# KiCad board vme-wren.kicad_pcb (continued)
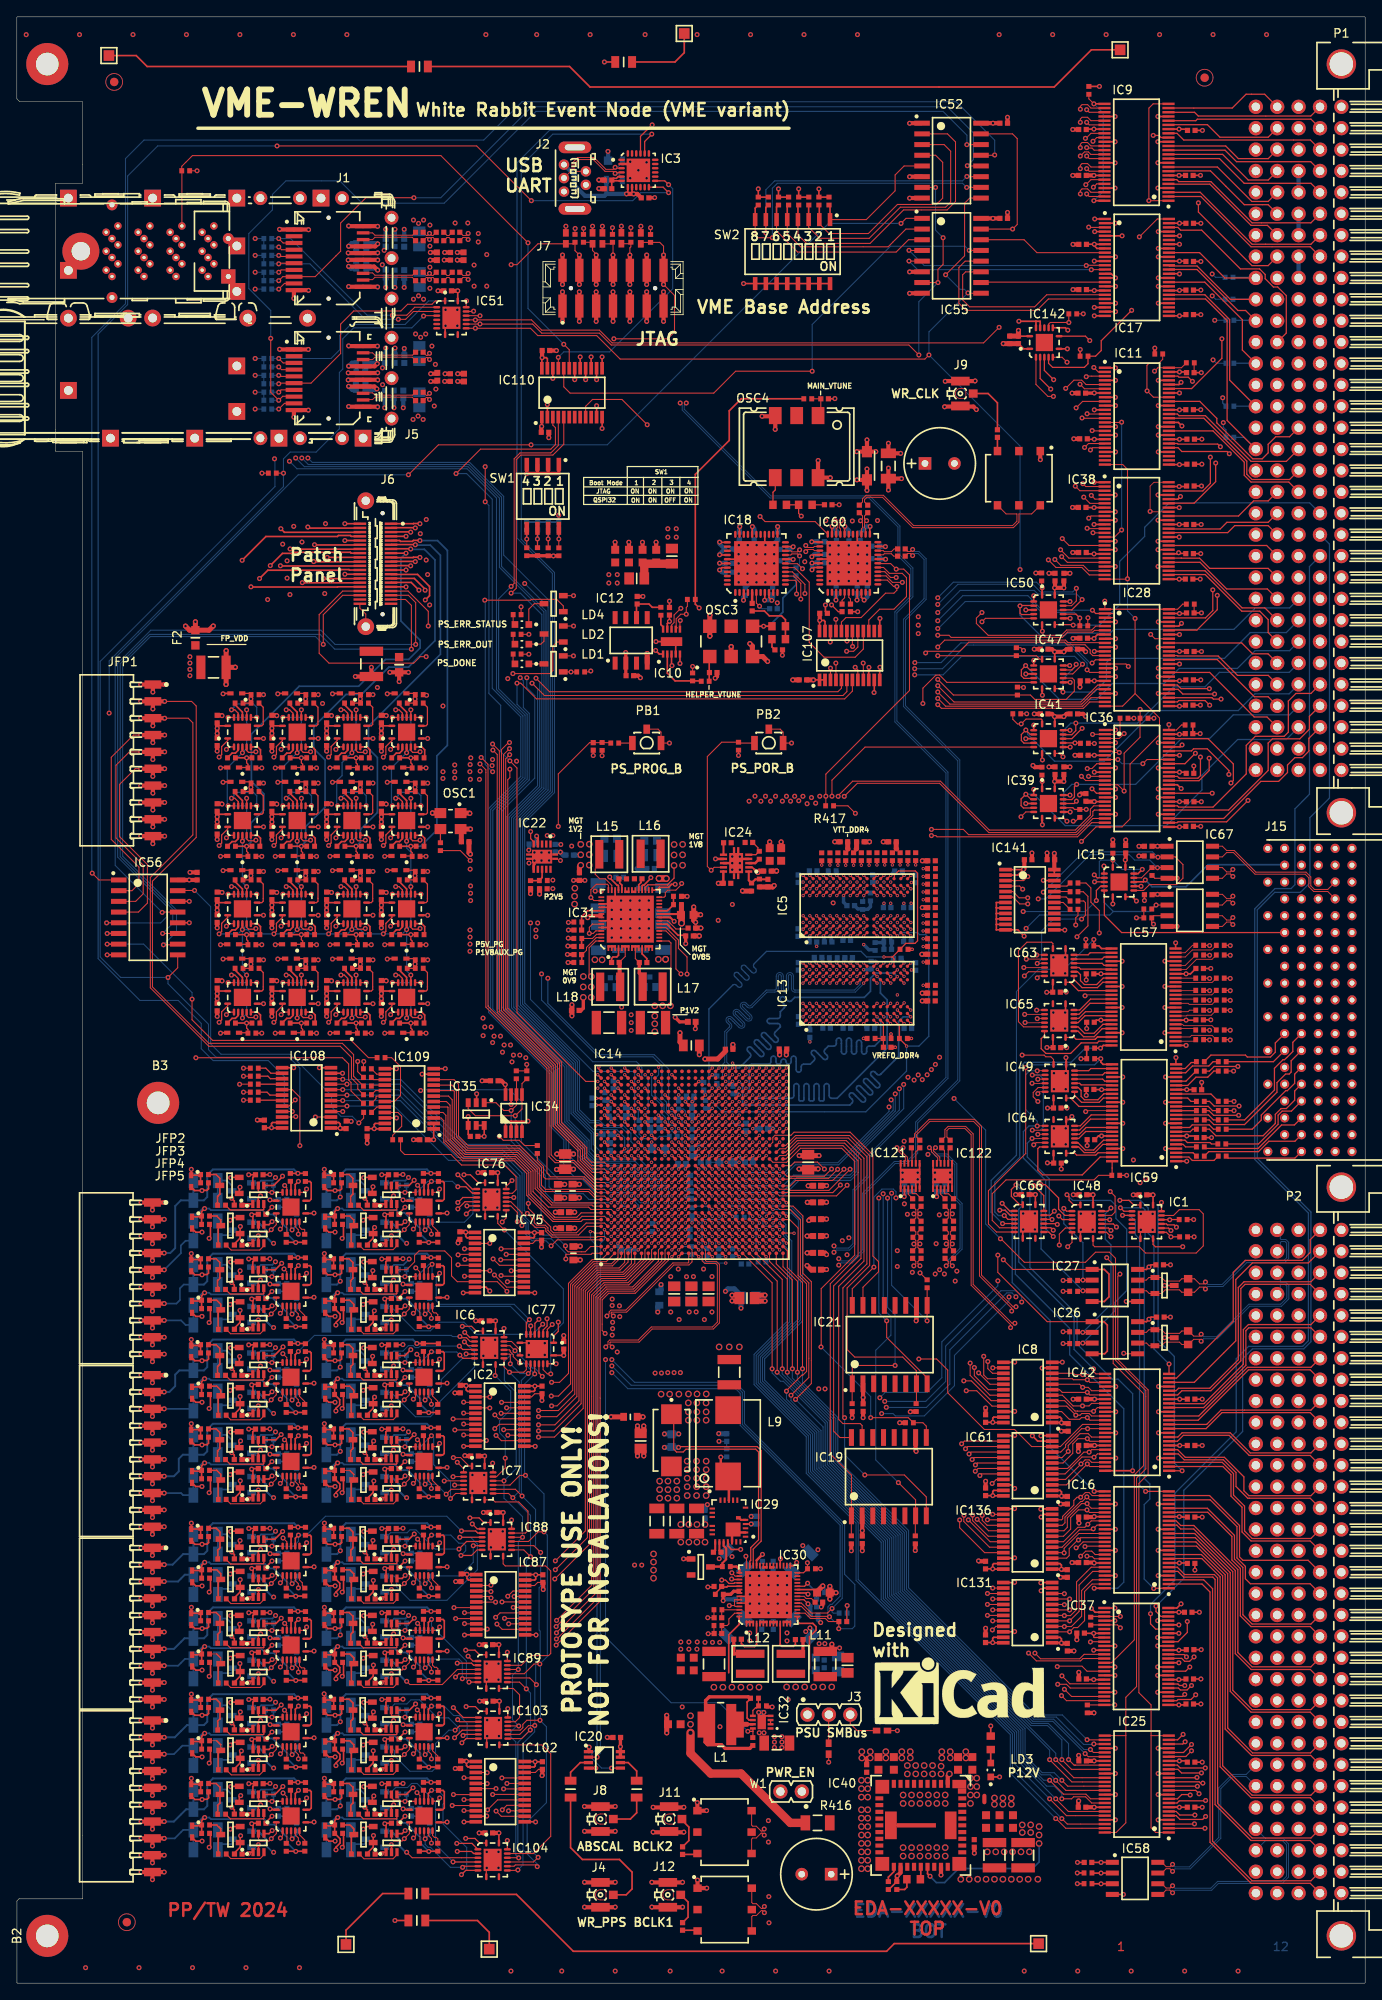
[diagram p0: board, top side]
## Placement (name value [footprint] x y rotation side) (continued)
R222  R0402_100R_1%_0.0625W_100PPM  [RESC1005X40N]  80.15 86.99 270 bottom
R223  R0402_10K_1%_0.0625W_100PPM  [RESC1005X40N]  118.7 158.09 90 top
R224  R0402_33R_1%_0.0625W_100PPM  [RESC1005X40N]  140.47 117.87 0 top
R225  R0402_33R_1%_0.0625W_100PPM  [RESC1005X40N]  142.92 119.32 0 top
R226  R0402_4K7_1%_0.0625W_100PPM  [RESC1005X40N]  59.32 107.85 90 top
R227  R0402_10K_1%_0.0625W_100PPM  [RESC1005X40N]  98.09 42.94 180 top
R228  R0402_33R_1%_0.0625W_100PPM  [RESC1005X40N]  140.47 119.32 0 top
R229  R0402_33R_1%_0.0625W_100PPM  [RESC1005X40N]  142.92 122.07 0 top
R230  R0402_33R_1%_0.0625W_100PPM  [RESC1005X40N]  140.47 122.07 0 top
R231  R0402_33R_1%_0.0625W_100PPM  [RESC1005X40N]  142.92 123.22 0 top
R232  R0402_33R_1%_0.0625W_100PPM  [RESC1005X40N]  140.47 123.22 0 top
R233  R0402_33R_1%_0.0625W_100PPM  [RESC1005X40N]  140.47 112.02 0 top
R234  R0402_33R_1%_0.0625W_100PPM  [RESC1005X40N]  142.92 112.02 0 top
R235  R0402_33R_1%_0.0625W_100PPM  [RESC1005X40N]  140.47 113.17 0 top
R236  R0402_33R_1%_0.0625W_100PPM  [RESC1005X40N]  142.92 113.17 0 top
R237  R0402_33R_1%_0.0625W_100PPM  [RESC1005X40N]  142.92 115.52 0 top
R238  R0402_33R_1%_0.0625W_100PPM  [RESC1005X40N]  140.47 115.52 0 top
R239  R0402_33R_1%_0.0625W_100PPM  [RESC1005X40N]  142.92 116.72 0 top
R240  R0402_33R_1%_0.0625W_100PPM  [RESC1005X40N]  140.47 116.72 0 top
R241  R0402_33R_1%_0.0625W_100PPM  [RESC1005X40N]  143.16 98.19 0 top
R242  R0402_33R_1%_0.0625W_100PPM  [RESC1005X40N]  140.56 98.19 0 top
R243  R0402_33R_1%_0.0625W_100PPM  [RESC1005X40N]  140.56 99.29 0 top
R244  R0402_33R_1%_0.0625W_100PPM  [RESC1005X40N]  143.11 99.64 0 top
R245  R0402_33R_1%_0.0625W_100PPM  [RESC1005X40N]  140.56 101.39 0 top
R246  R0402_33R_1%_0.0625W_100PPM  [RESC1005X40N]  143.16 101.39 0 top
R247  R0402_33R_1%_0.0625W_100PPM  [RESC1005X40N]  140.56 102.49 0 top
R248  R0402_33R_1%_0.0625W_100PPM  [RESC1005X40N]  143.16 102.49 0 top
R249  R0402_33R_1%_0.0625W_100PPM  [RESC1005X40N]  143.16 103.59 0 top
R250  R0402_33R_1%_0.0625W_100PPM  [RESC1005X40N]  140.56 104.69 0 top
R251  R0603_820R_1%_0.1W_100PPM  [RESC1608X55N]  115.66 28.54 270 top
R252  R0402_33R_1%_0.0625W_100PPM  [RESC1005X40N]  143.16 104.7 0 top
R253  R0402_402R_1%_0.063W_100PPM  [RESC1005X40N]  84.26 49.46 180 top
R254  R0402_4K7_1%_0.0625W_100PPM  [RESC1005X40N]  29.8 192.9 180 bottom
R255  R0402_4K7_1%_0.0625W_100PPM  [RESC1005X40N]  29.8 189.9 180 bottom
R256  R0402_33R_1%_0.0625W_100PPM  [RESC1005X40N]  143.16 108.29 0 top
R257  R0402_33R_1%_0.0625W_100PPM  [RESC1005X40N]  140.56 108.29 0 top
R258  R0402_33R_1%_0.0625W_100PPM  [RESC1005X40N]  143.16 109.41 0 top
R259  R0402_33R_1%_0.0625W_100PPM  [RESC1005X40N]  140.56 109.41 0 top
R260  R0402_10K_1%_0.0625W_100PPM  [RESC1005X40N]  130.16 134.64 90 top
R261  R0402_4R7_1%_0.0625W_200PPM  [RESC1005X40N]  39.39 141.49 0 top
R262  R0402_1K_1%_0.0625W_100PPM  [RESC1005X40N]  40.92 133.79 180 top
R263  R0402_10K_1%_0.0625W_100PPM  [RESC1005X40N]  118.83 153.41 90 top
R264  R0402_10K_1%_0.0625W_100PPM  [RESC1005X40N]  121.71 166.96 90 top
R265  R0402_10K_1%_0.0625W_100PPM  [RESC1005X40N]  134.37 133.83 180 top
R266  R0402_10K_1%_0.0625W_100PPM  [RESC1005X40N]  134.81 131.99 270 top
R267  R0402_1K_1%_0.0625W_100PPM  [RESC1005X40N]  41.29 142.49 180 top
R268  R1206_91R_1%_0.25W_100PPM  [RESC3216X65N]  38.21 57.95 180 bottom
R269  R0402_100R_1%_0.0625W_100PPM  [RESC1005X40N]  38.09 65.81 0 top
R270  R0402_100R_1%_0.0625W_100PPM  [RESC1005X40N]  38.21 60.89 0 top
R271  R0402_100R_1%_0.0625W_100PPM  [RESC1005X40N]  40.11 62.17 0 top
R272  R0402_100R_1%_0.0625W_100PPM  [RESC1005X40N]  40.19 57.43 0 top
R273  R0402_10K_1%_0.0625W_100PPM  [RESC1005X40N]  30.01 52.74 180 bottom
R274  R0402_10K_1%_0.0625W_100PPM  [RESC1005X40N]  45.81 42.74 180 bottom
R275  R0402_4R7_1%_0.0625W_200PPM  [RESC1005X40N]  31.99 68.23 270 top
R276  R0402_4R7_1%_0.0625W_200PPM  [RESC1005X40N]  34.19 68.24 270 top
R277  R0402_4R7_1%_0.0625W_200PPM  [RESC1005X40N]  34.27 75.46 90 top
R278  R0402_4R7_1%_0.0625W_200PPM  [RESC1005X40N]  32.48 75.48 90 top
R279  R0402_1K_1%_0.0625W_100PPM  [RESC1005X40N]  22.29 74.83 180 top
R280  R0402_1K_1%_0.0625W_100PPM  [RESC1005X40N]  22.41 69.89 180 top
R281  R0402_4R7_1%_0.0625W_200PPM  [RESC1005X40N]  47.79 120.49 180 top
R282  R1206_91R_1%_0.25W_100PPM  [RESC3216X65N]  22.41 67.95 180 bottom
R283  R0402_100R_1%_0.0625W_100PPM  [RESC1005X40N]  22.29 75.81 0 top
R284  R0402_100R_1%_0.0625W_100PPM  [RESC1005X40N]  22.41 70.89 0 top
R285  R0402_100R_1%_0.0625W_100PPM  [RESC1005X40N]  24.31 72.17 0 top
R286  R0402_100R_1%_0.0625W_100PPM  [RESC1005X40N]  24.39 67.43 0 top
R287  R0402_10K_1%_0.0625W_100PPM  [RESC1005X40N]  30.01 32.44 180 bottom
R288  R0402_10K_1%_0.0625W_100PPM  [RESC1005X40N]  30.01 22.44 180 bottom
R289  R0402_4R7_1%_0.0625W_200PPM  [RESC1005X40N]  47.79 68.23 270 top
R290  R0402_4R7_1%_0.0625W_200PPM  [RESC1005X40N]  49.99 68.24 270 top
R291  R0402_4R7_1%_0.0625W_200PPM  [RESC1005X40N]  50.07 75.46 90 top
R292  R0402_4R7_1%_0.0625W_200PPM  [RESC1005X40N]  48.28 75.48 90 top
R293  R0402_1K_1%_0.0625W_100PPM  [RESC1005X40N]  38.09 74.83 180 top
R294  R0402_1K_1%_0.0625W_100PPM  [RESC1005X40N]  38.21 69.89 180 top
R295  R0402_4R7_1%_0.0625W_200PPM  [RESC1005X40N]  45.89 120.49 0 top
R296  R1206_91R_1%_0.25W_100PPM  [RESC3216X65N]  38.21 67.95 180 bottom
R297  R0402_100R_1%_0.0625W_100PPM  [RESC1005X40N]  38.09 75.81 0 top
R298  R0402_100R_1%_0.0625W_100PPM  [RESC1005X40N]  38.21 70.89 0 top
R299  R0402_100R_1%_0.0625W_100PPM  [RESC1005X40N]  40.11 72.17 0 top
R300  R0402_100R_1%_0.0625W_100PPM  [RESC1005X40N]  40.19 67.43 0 top
R301  R0402_10K_1%_0.0625W_100PPM  [RESC1005X40N]  45.81 22.44 180 bottom
R302  R0402_10K_1%_0.0625W_100PPM  [RESC1005X40N]  45.81 32.44 180 bottom
R303  R0402_4R7_1%_0.0625W_200PPM  [RESC1005X40N]  31.99 58.23 270 top
R304  R0402_4R7_1%_0.0625W_200PPM  [RESC1005X40N]  34.19 58.24 270 top
R305  R0402_4R7_1%_0.0625W_200PPM  [RESC1005X40N]  34.27 65.46 90 top
R306  R0402_4R7_1%_0.0625W_200PPM  [RESC1005X40N]  32.48 65.48 90 top
R307  R0402_1K_1%_0.0625W_100PPM  [RESC1005X40N]  22.29 64.83 180 top
R308  R0402_1K_1%_0.0625W_100PPM  [RESC1005X40N]  22.41 59.89 180 top
R309  R0402_1K_1%_0.0625W_100PPM  [RESC1005X40N]  47.42 112.79 180 top
R310  R1206_91R_1%_0.25W_100PPM  [RESC3216X65N]  22.41 57.95 180 bottom
R311  R0402_100R_1%_0.0625W_100PPM  [RESC1005X40N]  22.29 65.81 0 top
R312  R0402_100R_1%_0.0625W_100PPM  [RESC1005X40N]  22.41 60.89 0 top
R313  R0402_100R_1%_0.0625W_100PPM  [RESC1005X40N]  24.31 62.17 0 top
R314  R0402_100R_1%_0.0625W_100PPM  [RESC1005X40N]  24.39 57.43 0 top
R315  R0402_10K_1%_0.0625W_100PPM  [RESC1005X40N]  135.61 193.44 180 top
R316  R0402_10K_1%_0.0625W_100PPM  [RESC1005X40N]  30.34 179.29 180 top
R317  R0402_4R7_1%_0.0625W_200PPM  [RESC1005X40N]  47.8 46.43 270 top
R318  R0402_4R7_1%_0.0625W_200PPM  [RESC1005X40N]  50 46.44 270 top
R319  R0402_4R7_1%_0.0625W_200PPM  [RESC1005X40N]  50.08 53.65 90 top
R320  R0402_4R7_1%_0.0625W_200PPM  [RESC1005X40N]  48.29 53.67 90 top
R321  R0402_1K_1%_0.0625W_100PPM  [RESC1005X40N]  38.1 53.02 180 top
R322  R0402_1K_1%_0.0625W_100PPM  [RESC1005X40N]  38.22 48.08 180 top
R323  R0402_1K_1%_0.0625W_100PPM  [RESC1005X40N]  47.79 121.49 180 top
R324  R1206_91R_1%_0.25W_100PPM  [RESC3216X65N]  38.22 46.14 180 bottom
R325  R0402_100R_1%_0.0625W_100PPM  [RESC1005X40N]  38.1 54 0 top
R326  R0402_100R_1%_0.0625W_100PPM  [RESC1005X40N]  38.22 49.08 0 top
R327  R0402_100R_1%_0.0625W_100PPM  [RESC1005X40N]  40.12 50.36 0 top
R328  R0402_100R_1%_0.0625W_100PPM  [RESC1005X40N]  40.2 45.63 0 top
R329  R0402_10K_1%_0.0625W_100PPM  [RESC1005X40N]  126.71 161.16 0 top
R330  R0402_10K_1%_0.0625W_100PPM  [RESC1005X40N]  88.05 211.59 270 top
R331  R0402_4R7_1%_0.0625W_200PPM  [RESC1005X40N]  32 36.43 270 top
R332  R0402_4R7_1%_0.0625W_200PPM  [RESC1005X40N]  34.2 36.44 270 top
R333  R0402_4R7_1%_0.0625W_200PPM  [RESC1005X40N]  34.28 43.65 90 top
R334  R0402_4R7_1%_0.0625W_200PPM  [RESC1005X40N]  32.49 43.67 90 top
R335  R0402_1K_1%_0.0625W_100PPM  [RESC1005X40N]  22.3 43.02 180 top
R336  R0402_1K_1%_0.0625W_100PPM  [RESC1005X40N]  22.42 38.08 180 top
R337  R0402_4R7_1%_0.0625W_200PPM  [RESC1005X40N]  38.49 113.99 0 top
R338  R1206_91R_1%_0.25W_100PPM  [RESC3216X65N]  22.42 38.49 180 bottom
R339  R0402_100R_1%_0.0625W_100PPM  [RESC1005X40N]  22.3 44 0 top
R340  R0402_100R_1%_0.0625W_100PPM  [RESC1005X40N]  22.42 39.08 0 top
R341  R0402_100R_1%_0.0625W_100PPM  [RESC1005X40N]  24.32 40.36 0 top
R342  R0402_100R_1%_0.0625W_100PPM  [RESC1005X40N]  24.4 35.63 0 top
R343  R0402_10K_1%_0.0625W_100PPM  [RESC1005X40N]  89.25 211.59 270 top
R344  R0402_10K_1%_0.0625W_100PPM  [RESC1005X40N]  90.45 211.59 270 top
R345  R0402_4R7_1%_0.0625W_200PPM  [RESC1005X40N]  32 46.43 270 top
R346  R0402_4R7_1%_0.0625W_200PPM  [RESC1005X40N]  34.2 46.44 270 top
R347  R0402_4R7_1%_0.0625W_200PPM  [RESC1005X40N]  34.28 53.65 90 top
R348  R0402_4R7_1%_0.0625W_200PPM  [RESC1005X40N]  32.49 53.67 90 top
R349  R0402_1K_1%_0.0625W_100PPM  [RESC1005X40N]  22.3 53.02 180 top
R350  R0402_1K_1%_0.0625W_100PPM  [RESC1005X40N]  22.42 48.08 180 top
R351  R0402_4R7_1%_0.0625W_200PPM  [RESC1005X40N]  41.39 113.99 180 top
R352  R1206_91R_1%_0.25W_100PPM  [RESC3216X65N]  22.42 48.49 180 bottom
R353  R0402_100R_1%_0.0625W_100PPM  [RESC1005X40N]  22.3 54 0 top
R354  R0402_100R_1%_0.0625W_100PPM  [RESC1005X40N]  22.42 49.08 0 top
R355  R0402_100R_1%_0.0625W_100PPM  [RESC1005X40N]  24.32 50.36 0 top
R356  R0402_100R_1%_0.0625W_100PPM  [RESC1005X40N]  24.4 45.63 0 top
R357  R0402_10K_1%_0.0625W_100PPM  [RESC1005X40N]  91.65 211.59 270 top
R358  R0402_10K_1%_0.0625W_100PPM  [RESC1005X40N]  92.85 211.59 270 top
R359  R0402_4R7_1%_0.0625W_200PPM  [RESC1005X40N]  47.8 36.43 270 top
R360  R0402_4R7_1%_0.0625W_200PPM  [RESC1005X40N]  50 36.44 270 top
R361  R0402_4R7_1%_0.0625W_200PPM  [RESC1005X40N]  50.08 43.65 90 top
R362  R0402_4R7_1%_0.0625W_200PPM  [RESC1005X40N]  48.29 43.67 90 top
R363  R0402_1K_1%_0.0625W_100PPM  [RESC1005X40N]  38.1 43.02 180 top
R364  R0402_1K_1%_0.0625W_100PPM  [RESC1005X40N]  38.22 38.08 180 top
R365  R0402_4R7_1%_0.0625W_200PPM  [RESC1005X40N]  41.29 120.49 180 top
R366  R1206_91R_1%_0.25W_100PPM  [RESC3216X65N]  38.22 36.14 180 bottom
R367  R0402_100R_1%_0.0625W_100PPM  [RESC1005X40N]  38.1 44 0 top
R368  R0402_100R_1%_0.0625W_100PPM  [RESC1005X40N]  38.22 39.08 0 top
R369  R0402_100R_1%_0.0625W_100PPM  [RESC1005X40N]  40.12 40.36 0 top
R370  R0402_100R_1%_0.0625W_100PPM  [RESC1005X40N]  40.2 35.63 0 top
R371  R0402_10K_1%_0.0625W_100PPM  [RESC1005X40N]  94.05 211.59 270 top
R372  R0402_10K_1%_0.0625W_100PPM  [RESC1005X40N]  95.25 211.59 270 top
R373  R0402_4R7_1%_0.0625W_200PPM  [RESC1005X40N]  32 26.13 270 top
R374  R0402_4R7_1%_0.0625W_200PPM  [RESC1005X40N]  34.2 26.14 270 top
R375  R0402_4R7_1%_0.0625W_200PPM  [RESC1005X40N]  34.28 33.35 90 top
R376  R0402_4R7_1%_0.0625W_200PPM  [RESC1005X40N]  32.49 33.37 90 top
R377  R0402_1K_1%_0.0625W_100PPM  [RESC1005X40N]  22.3 32.72 180 top
R378  R0402_1K_1%_0.0625W_100PPM  [RESC1005X40N]  22.42 27.78 180 top
R379  R0402_4R7_1%_0.0625W_200PPM  [RESC1005X40N]  39.39 120.49 0 top
R380  R1206_91R_1%_0.25W_100PPM  [RESC3216X65N]  22.42 28.19 180 bottom
R381  R0402_100R_1%_0.0625W_100PPM  [RESC1005X40N]  22.3 33.7 0 top
R382  R0402_100R_1%_0.0625W_100PPM  [RESC1005X40N]  22.42 28.78 0 top
R383  R0402_100R_1%_0.0625W_100PPM  [RESC1005X40N]  24.32 30.06 0 top
R384  R0402_100R_1%_0.0625W_100PPM  [RESC1005X40N]  24.4 25.33 0 top
R385  R0402_10K_1%_0.0625W_100PPM  [RESC1005X40N]  96.45 211.59 270 top
R386  R0402_33R_1%_0.0625W_100PPM  [RESC1005X40N]  125.55 128.49 0 top
R387  R0402_33R_1%_0.0625W_100PPM  [RESC1005X40N]  125.55 127.49 0 top
R388  R0402_10K_1%_0.0625W_100PPM  [RESC1005X40N]  49.01 60.62 90 bottom
R389  R0402_4K7_1%_0.0625W_100PPM  [RESC1005X40N]  29.8 206.14 180 bottom
R390  R0402_4K7_1%_0.0625W_100PPM  [RESC1005X40N]  29.8 207.14 180 bottom
R391  R0402_4K7_1%_0.0625W_100PPM  [RESC1005X40N]  29.8 205.14 180 bottom
R392  R0402_4K7_1%_0.0625W_100PPM  [RESC1005X40N]  29.8 204.14 180 bottom
R393  R0402_4K7_1%_0.0625W_100PPM  [RESC1005X40N]  29.8 203.14 180 bottom
R394  R0402_4K7_1%_0.0625W_100PPM  [RESC1005X40N]  29.8 202.14 180 bottom
R395  R0402_4K7_1%_0.0625W_100PPM  [RESC1005X40N]  29.8 201.14 180 bottom
R396  R0402_33R_1%_0.0625W_100PPM  [RESC1005X40N]  125.55 129.59 0 top
R397  R0805_2M2_1%_0.125W_100PPM  [RESC2012X60N]  72.06 228.11 0 top
R398  R0805_2M2_1%_0.125W_100PPM  [RESC2012X60N]  47.81 227.57 0 top
R399  R0402_33R_1%_0.0625W_100PPM  [RESC1005X40N]  125.55 130.63 0 top
R400  R0805_2M2_1%_0.125W_100PPM  [RESC2012X60N]  47.5 10.64 0 top
R401  R0805_2M2_1%_0.125W_100PPM  [RESC2012X60N]  47.5 7.44 0 top
R402  R0402_10K_1%_0.0625W_100PPM  [RESC1005X40N]  126.74 193.18 0 top
R403  R0402_10K_1%_0.0625W_100PPM  [RESC1005X40N]  125.4 198.2 180 top
R404  R0402_4R7_1%_0.0625W_200PPM  [RESC1005X40N]  32 16.13 270 top
R405  R0402_4R7_1%_0.0625W_200PPM  [RESC1005X40N]  34.2 16.14 270 top
R406  R0402_4R7_1%_0.0625W_200PPM  [RESC1005X40N]  34.28 23.35 90 top
R407  R0402_4R7_1%_0.0625W_200PPM  [RESC1005X40N]  32.49 23.37 90 top
R408  R0402_1K_1%_0.0625W_100PPM  [RESC1005X40N]  22.3 22.72 180 top
R409  R0402_1K_1%_0.0625W_100PPM  [RESC1005X40N]  22.42 17.78 180 top
R410  R0402_1K_1%_0.0625W_100PPM  [RESC1005X40N]  40.92 112.79 180 top
R411  R1206_91R_1%_0.25W_100PPM  [RESC3216X65N]  22.42 18.19 180 bottom
R412  R0402_100R_1%_0.0625W_100PPM  [RESC1005X40N]  22.3 23.7 0 top
R413  R0402_100R_1%_0.0625W_100PPM  [RESC1005X40N]  22.42 18.78 0 top
R414  R0402_100R_1%_0.0625W_100PPM  [RESC1005X40N]  24.32 20.06 0 top
R415  R0402_100R_1%_0.0625W_100PPM  [RESC1005X40N]  24.4 15.33 0 top
R416  R1206_0R_JUMPER  [RESC3216X65N]  95.09 19.03 0 top
R417  R0402_4K7_1%_0.0625W_100PPM  [RESC1005X40N]  96.52 139.79 180 top
R418  R0402_4R7_1%_0.0625W_200PPM  [RESC1005X40N]  47.8 16.13 270 top
R419  R0402_4R7_1%_0.0625W_200PPM  [RESC1005X40N]  50 16.14 270 top
R420  R0402_4R7_1%_0.0625W_200PPM  [RESC1005X40N]  50.08 23.35 90 top
R421  R0402_4R7_1%_0.0625W_200PPM  [RESC1005X40N]  48.29 23.37 90 top
R422  R0402_1K_1%_0.0625W_100PPM  [RESC1005X40N]  38.1 22.72 180 top
R423  R0402_1K_1%_0.0625W_100PPM  [RESC1005X40N]  38.22 17.78 180 top
R424  R0402_1K_1%_0.0625W_100PPM  [RESC1005X40N]  41.29 121.49 180 top
R425  R1206_91R_1%_0.25W_100PPM  [RESC3216X65N]  38.22 15.84 180 bottom
R426  R0402_100R_1%_0.0625W_100PPM  [RESC1005X40N]  38.1 23.7 0 top
R427  R0402_100R_1%_0.0625W_100PPM  [RESC1005X40N]  38.22 18.78 0 top
R428  R0402_100R_1%_0.0625W_100PPM  [RESC1005X40N]  40.12 20.06 0 top
R429  R0402_100R_1%_0.0625W_100PPM  [RESC1005X40N]  40.2 15.33 0 top
R432  R0402_4R7_1%_0.0625W_200PPM  [RESC1005X40N]  47.8 26.13 270 top
R433  R0402_4R7_1%_0.0625W_200PPM  [RESC1005X40N]  50 26.14 270 top
R434  R0402_4R7_1%_0.0625W_200PPM  [RESC1005X40N]  50.08 33.35 90 top
R435  R0402_4R7_1%_0.0625W_200PPM  [RESC1005X40N]  48.29 33.37 90 top
R436  R0402_1K_1%_0.0625W_100PPM  [RESC1005X40N]  38.1 32.72 180 top
R437  R0402_1K_1%_0.0625W_100PPM  [RESC1005X40N]  38.22 27.78 180 top
R438  R0402_4R7_1%_0.0625W_200PPM  [RESC1005X40N]  31.99 113.99 0 top
R439  R1206_91R_1%_0.25W_100PPM  [RESC3216X65N]  38.22 28.19 180 bottom
R440  R0402_100R_1%_0.0625W_100PPM  [RESC1005X40N]  38.1 33.7 0 top
R441  R0402_100R_1%_0.0625W_100PPM  [RESC1005X40N]  38.22 28.78 0 top
R442  R0402_100R_1%_0.0625W_100PPM  [RESC1005X40N]  40.12 30.06 0 top
R443  R0402_100R_1%_0.0625W_100PPM  [RESC1005X40N]  40.2 25.33 0 top
R444  R0402_100R_1%_0.0625W_100PPM  [RESC1005X40N]  106.89 88.56 180 top
R445  R0402_100R_1%_0.0625W_100PPM  [RESC1005X40N]  110.74 88.55 0 top
R446  R0402_4K7_1%_0.0625W_100PPM  [RESC1005X40N]  20.05 215.19 180 top
R448  R0402_4R7_1%_0.0625W_200PPM  [RESC1005X40N]  34.89 113.99 180 top
R449  R0402_33R_1%_0.0625W_100PPM  [RESC1005X40N]  45.1 100.14 0 top
R450  R0402_33R_1%_0.0625W_100PPM  [RESC1005X40N]  28.2 107.69 180 top
R451  R0402_33R_1%_0.0625W_100PPM  [RESC1005X40N]  41.64 105.49 180 top
R452  R0402_33R_1%_0.0625W_100PPM  [RESC1005X40N]  28.2 108.64 180 top
R453  R0402_33R_1%_0.0625W_100PPM  [RESC1005X40N]  41.63 106.51 180 top
R454  R1206_91R_1%_0.25W_100PPM  [RESC3216X65N]  38.21 90.5 180 bottom
R455  R0402_33R_1%_0.0625W_100PPM  [RESC1005X40N]  28.2 104.84 180 top
R456  R0402_33R_1%_0.0625W_100PPM  [RESC1005X40N]  28.2 106.74 180 top
R457  R1206_91R_1%_0.25W_100PPM  [RESC3216X65N]  22.41 90.5 180 bottom
R458  R0402_33R_1%_0.0625W_100PPM  [RESC1005X40N]  28.2 105.79 180 top
R459  R1206_91R_1%_0.25W_100PPM  [RESC3216X65N]  22.41 78.15 180 bottom
R460  R0402_33R_1%_0.0625W_100PPM  [RESC1005X40N]  41.65 103.39 180 top
R461  R1206_91R_1%_0.25W_100PPM  [RESC3216X65N]  38.21 80.5 180 bottom
R462  R0402_33R_1%_0.0625W_100PPM  [RESC1005X40N]  43.25 109.89 180 top
R463  R0402_33R_1%_0.0625W_100PPM  [RESC1005X40N]  41.63 104.46 180 top
R464  R1206_91R_1%_0.25W_100PPM  [RESC3216X65N]  38.21 60.3 180 bottom
R465  R1206_91R_1%_0.25W_100PPM  [RESC3216X65N]  22.41 70.3 180 bottom
R466  R1206_91R_1%_0.25W_100PPM  [RESC3216X65N]  38.21 70.3 180 bottom
R467  R1206_91R_1%_0.25W_100PPM  [RESC3216X65N]  22.41 60.3 180 bottom
R468  R1206_91R_1%_0.25W_100PPM  [RESC3216X65N]  38.22 48.49 180 bottom
R469  R1206_91R_1%_0.25W_100PPM  [RESC3216X65N]  22.42 36.14 180 bottom
R470  R1206_91R_1%_0.25W_100PPM  [RESC3216X65N]  22.42 46.14 180 bottom
R471  R1206_91R_1%_0.25W_100PPM  [RESC3216X65N]  38.22 38.49 180 bottom
R472  R1206_91R_1%_0.25W_100PPM  [RESC3216X65N]  22.42 25.84 180 bottom
R473  R1206_91R_1%_0.25W_100PPM  [RESC3216X65N]  22.42 15.84 180 bottom
R474  R1206_91R_1%_0.25W_100PPM  [RESC3216X65N]  38.22 18.19 180 bottom
R475  R1206_91R_1%_0.25W_100PPM  [RESC3216X65N]  38.22 25.84 180 bottom
R476  R1206_91R_1%_0.25W_100PPM  [RESC3216X65N]  38.21 95.3 180 bottom
R477  R1206_91R_1%_0.25W_100PPM  [RESC3216X65N]  38.21 92.95 180 bottom
R478  R1206_91R_1%_0.25W_100PPM  [RESC3216X65N]  22.41 95.3 180 bottom
R479  R1206_91R_1%_0.25W_100PPM  [RESC3216X65N]  22.41 92.95 180 bottom
R480  R1206_91R_1%_0.25W_100PPM  [RESC3216X65N]  22.41 82.95 180 bottom
R481  R1206_91R_1%_0.25W_100PPM  [RESC3216X65N]  22.41 85.3 180 bottom
R482  R1206_91R_1%_0.25W_100PPM  [RESC3216X65N]  38.21 85.3 180 bottom
R483  R1206_91R_1%_0.25W_100PPM  [RESC3216X65N]  38.21 82.95 180 bottom
R484  R1206_91R_1%_0.25W_100PPM  [RESC3216X65N]  38.21 65.1 180 bottom
R485  R1206_91R_1%_0.25W_100PPM  [RESC3216X65N]  38.21 62.75 180 bottom
R486  R1206_91R_1%_0.25W_100PPM  [RESC3216X65N]  22.41 75.1 180 bottom
R487  R1206_91R_1%_0.25W_100PPM  [RESC3216X65N]  22.41 72.75 180 bottom
R488  R1206_91R_1%_0.25W_100PPM  [RESC3216X65N]  38.21 72.75 180 bottom
R489  R1206_91R_1%_0.25W_100PPM  [RESC3216X65N]  38.21 75.1 180 bottom
R490  R1206_91R_1%_0.25W_100PPM  [RESC3216X65N]  22.41 62.75 180 bottom
R491  R1206_91R_1%_0.25W_100PPM  [RESC3216X65N]  22.41 65.1 180 bottom
R492  R1206_91R_1%_0.25W_100PPM  [RESC3216X65N]  38.22 53.29 180 bottom
R493  R1206_91R_1%_0.25W_100PPM  [RESC3216X65N]  38.22 50.94 180 bottom
R494  R1206_91R_1%_0.25W_100PPM  [RESC3216X65N]  22.42 40.94 180 bottom
R495  R1206_91R_1%_0.25W_100PPM  [RESC3216X65N]  22.42 43.29 180 bottom
R496  R1206_91R_1%_0.25W_100PPM  [RESC3216X65N]  22.42 53.29 180 bottom
R497  R1206_91R_1%_0.25W_100PPM  [RESC3216X65N]  22.42 50.94 180 bottom
R498  R1206_91R_1%_0.25W_100PPM  [RESC3216X65N]  38.22 40.94 180 bottom
R499  R1206_91R_1%_0.25W_100PPM  [RESC3216X65N]  38.22 43.29 180 bottom
R500  R1206_91R_1%_0.25W_100PPM  [RESC3216X65N]  22.42 32.99 180 bottom
R501  R1206_91R_1%_0.25W_100PPM  [RESC3216X65N]  22.42 30.64 180 bottom
R502  R1206_91R_1%_0.25W_100PPM  [RESC3216X65N]  22.42 22.99 180 bottom
R503  R1206_91R_1%_0.25W_100PPM  [RESC3216X65N]  22.42 20.64 180 bottom
R504  R1206_91R_1%_0.25W_100PPM  [RESC3216X65N]  38.22 20.64 180 bottom
R505  R1206_91R_1%_0.25W_100PPM  [RESC3216X65N]  38.22 22.99 180 bottom
R506  R1206_91R_1%_0.25W_100PPM  [RESC3216X65N]  38.22 32.99 180 bottom
R507  R1206_91R_1%_0.25W_100PPM  [RESC3216X65N]  38.22 30.64 180 bottom
R508  R0402_4R7_1%_0.0625W_200PPM  [RESC1005X40N]  34.79 120.49 180 top
R509  R0402_4R7_1%_0.0625W_200PPM  [RESC1005X40N]  32.89 120.49 0 top
R510  R0402_1K_1%_0.0625W_100PPM  [RESC1005X40N]  34.42 112.79 180 top
R511  R0402_1K_1%_0.0625W_100PPM  [RESC1005X40N]  34.79 121.49 180 top
R512  R0402_4R7_1%_0.0625W_200PPM  [RESC1005X40N]  25.49 113.99 0 top
R513  R0402_4R7_1%_0.0625W_200PPM  [RESC1005X40N]  28.39 113.99 180 top
R514  R0402_4R7_1%_0.0625W_200PPM  [RESC1005X40N]  28.29 120.49 180 top
R515  R0402_4R7_1%_0.0625W_200PPM  [RESC1005X40N]  26.39 120.49 0 top
R516  R0402_1K_1%_0.0625W_100PPM  [RESC1005X40N]  27.92 112.79 180 top
R517  R0402_1K_1%_0.0625W_100PPM  [RESC1005X40N]  28.29 121.49 180 top
R518  R0402_4R7_1%_0.0625W_200PPM  [RESC1005X40N]  31.99 134.99 0 top
R519  R0402_4R7_1%_0.0625W_200PPM  [RESC1005X40N]  34.89 134.99 180 top
R520  R0402_4R7_1%_0.0625W_200PPM  [RESC1005X40N]  34.79 141.49 180 top
R521  R0402_4R7_1%_0.0625W_200PPM  [RESC1005X40N]  32.89 141.49 0 top
R522  R0402_1K_1%_0.0625W_100PPM  [RESC1005X40N]  34.42 133.79 180 top
R523  R0402_1K_1%_0.0625W_100PPM  [RESC1005X40N]  34.79 142.49 180 top
R524  R0402_4R7_1%_0.0625W_200PPM  [RESC1005X40N]  25.49 134.99 0 top
R525  R0402_4R7_1%_0.0625W_200PPM  [RESC1005X40N]  28.39 134.99 180 top
R526  R0402_4R7_1%_0.0625W_200PPM  [RESC1005X40N]  28.29 141.49 180 top
R527  R0402_4R7_1%_0.0625W_200PPM  [RESC1005X40N]  26.39 141.49 0 top
R528  R0402_1K_1%_0.0625W_100PPM  [RESC1005X40N]  27.92 133.79 180 top
R529  R0402_1K_1%_0.0625W_100PPM  [RESC1005X40N]  28.29 142.49 180 top
R530  R0402_4R7_1%_0.0625W_200PPM  [RESC1005X40N]  44.99 134.99 0 top
R531  R0402_4R7_1%_0.0625W_200PPM  [RESC1005X40N]  47.89 134.99 180 top
R532  R0402_4R7_1%_0.0625W_200PPM  [RESC1005X40N]  47.79 141.49 180 top
R533  R0402_4R7_1%_0.0625W_200PPM  [RESC1005X40N]  45.89 141.49 0 top
R534  R0402_1K_1%_0.0625W_100PPM  [RESC1005X40N]  47.42 133.79 180 top
R535  R0402_1K_1%_0.0625W_100PPM  [RESC1005X40N]  47.79 142.49 180 top
R536  R0402_4R7_1%_0.0625W_200PPM  [RESC1005X40N]  38.49 124.49 0 top
R537  R0402_4R7_1%_0.0625W_200PPM  [RESC1005X40N]  41.39 124.49 180 top
R538  R0402_4R7_1%_0.0625W_200PPM  [RESC1005X40N]  41.29 130.99 180 top
R539  R0402_4R7_1%_0.0625W_200PPM  [RESC1005X40N]  39.39 130.99 0 top
R540  R0402_1K_1%_0.0625W_100PPM  [RESC1005X40N]  40.92 123.29 180 top
R541  R0402_1K_1%_0.0625W_100PPM  [RESC1005X40N]  41.29 131.99 180 top
R542  R0402_4R7_1%_0.0625W_200PPM  [RESC1005X40N]  44.99 124.49 0 top
R543  R0402_4R7_1%_0.0625W_200PPM  [RESC1005X40N]  47.89 124.49 180 top
R544  R0402_4R7_1%_0.0625W_200PPM  [RESC1005X40N]  47.79 130.99 180 top
R545  R0402_4R7_1%_0.0625W_200PPM  [RESC1005X40N]  45.89 130.99 0 top
R546  R0402_1K_1%_0.0625W_100PPM  [RESC1005X40N]  47.42 123.29 180 top
R547  R0402_1K_1%_0.0625W_100PPM  [RESC1005X40N]  47.79 131.99 180 top
R548  R0402_4R7_1%_0.0625W_200PPM  [RESC1005X40N]  25.49 124.49 0 top
R549  R0402_4R7_1%_0.0625W_200PPM  [RESC1005X40N]  28.39 124.49 180 top
R550  R0402_4R7_1%_0.0625W_200PPM  [RESC1005X40N]  28.29 130.99 180 top
R551  R0402_4R7_1%_0.0625W_200PPM  [RESC1005X40N]  26.39 130.99 0 top
R552  R0402_1K_1%_0.0625W_100PPM  [RESC1005X40N]  27.92 123.29 180 top
R553  R0402_1K_1%_0.0625W_100PPM  [RESC1005X40N]  28.29 131.99 180 top
R554  R0402_4R7_1%_0.0625W_200PPM  [RESC1005X40N]  31.99 124.49 0 top
R555  R0402_4R7_1%_0.0625W_200PPM  [RESC1005X40N]  34.89 124.49 180 top
R556  R0402_4R7_1%_0.0625W_200PPM  [RESC1005X40N]  34.79 130.99 180 top
R557  R0402_4R7_1%_0.0625W_200PPM  [RESC1005X40N]  32.89 130.99 0 top
R558  R0402_1K_1%_0.0625W_100PPM  [RESC1005X40N]  34.42 123.29 180 top
R559  R0402_1K_1%_0.0625W_100PPM  [RESC1005X40N]  34.79 131.99 180 top
R560  R0402_4R7_1%_0.0625W_200PPM  [RESC1005X40N]  25.49 145.49 0 top
R561  R0402_4R7_1%_0.0625W_200PPM  [RESC1005X40N]  28.39 145.49 180 top
R562  R0402_4R7_1%_0.0625W_200PPM  [RESC1005X40N]  28.29 151.99 180 top
R563  R0402_4R7_1%_0.0625W_200PPM  [RESC1005X40N]  26.39 151.99 0 top
R564  R0402_1K_1%_0.0625W_100PPM  [RESC1005X40N]  27.92 144.29 180 top
R565  R0402_1K_1%_0.0625W_100PPM  [RESC1005X40N]  28.29 152.99 180 top
R566  R0402_4R7_1%_0.0625W_200PPM  [RESC1005X40N]  31.99 145.49 0 top
R567  R0402_4R7_1%_0.0625W_200PPM  [RESC1005X40N]  34.89 145.49 180 top
R568  R0402_4R7_1%_0.0625W_200PPM  [RESC1005X40N]  34.79 151.99 180 top
R569  R0402_4R7_1%_0.0625W_200PPM  [RESC1005X40N]  32.89 151.99 0 top
R570  R0402_1K_1%_0.0625W_100PPM  [RESC1005X40N]  34.42 144.29 180 top
R571  R0402_1K_1%_0.0625W_100PPM  [RESC1005X40N]  34.79 152.99 180 top
R572  R0402_4R7_1%_0.0625W_200PPM  [RESC1005X40N]  44.99 145.49 0 top
R573  R0402_4R7_1%_0.0625W_200PPM  [RESC1005X40N]  47.89 145.49 180 top
R574  R0402_4R7_1%_0.0625W_200PPM  [RESC1005X40N]  47.79 151.99 180 top
R575  R0402_4R7_1%_0.0625W_200PPM  [RESC1005X40N]  45.89 151.99 0 top
R576  R0402_1K_1%_0.0625W_100PPM  [RESC1005X40N]  47.42 144.29 180 top
